# Altium PCB HORNET-1-IPG.PcbDoc (part 2 of 8)
Units mm, origin at the board's own origin, x right, y up, seen from the top; angles counter-clockwise.
Board outline 91.44 x 90.73 mm, 8 copper layers (TOP, AVERT, AHOR, GND, POWER, DVERT, DHOR, BOT), stack 0.686 mm thick; 726 components, 412 nets, 2077 pads, 2674 vias.
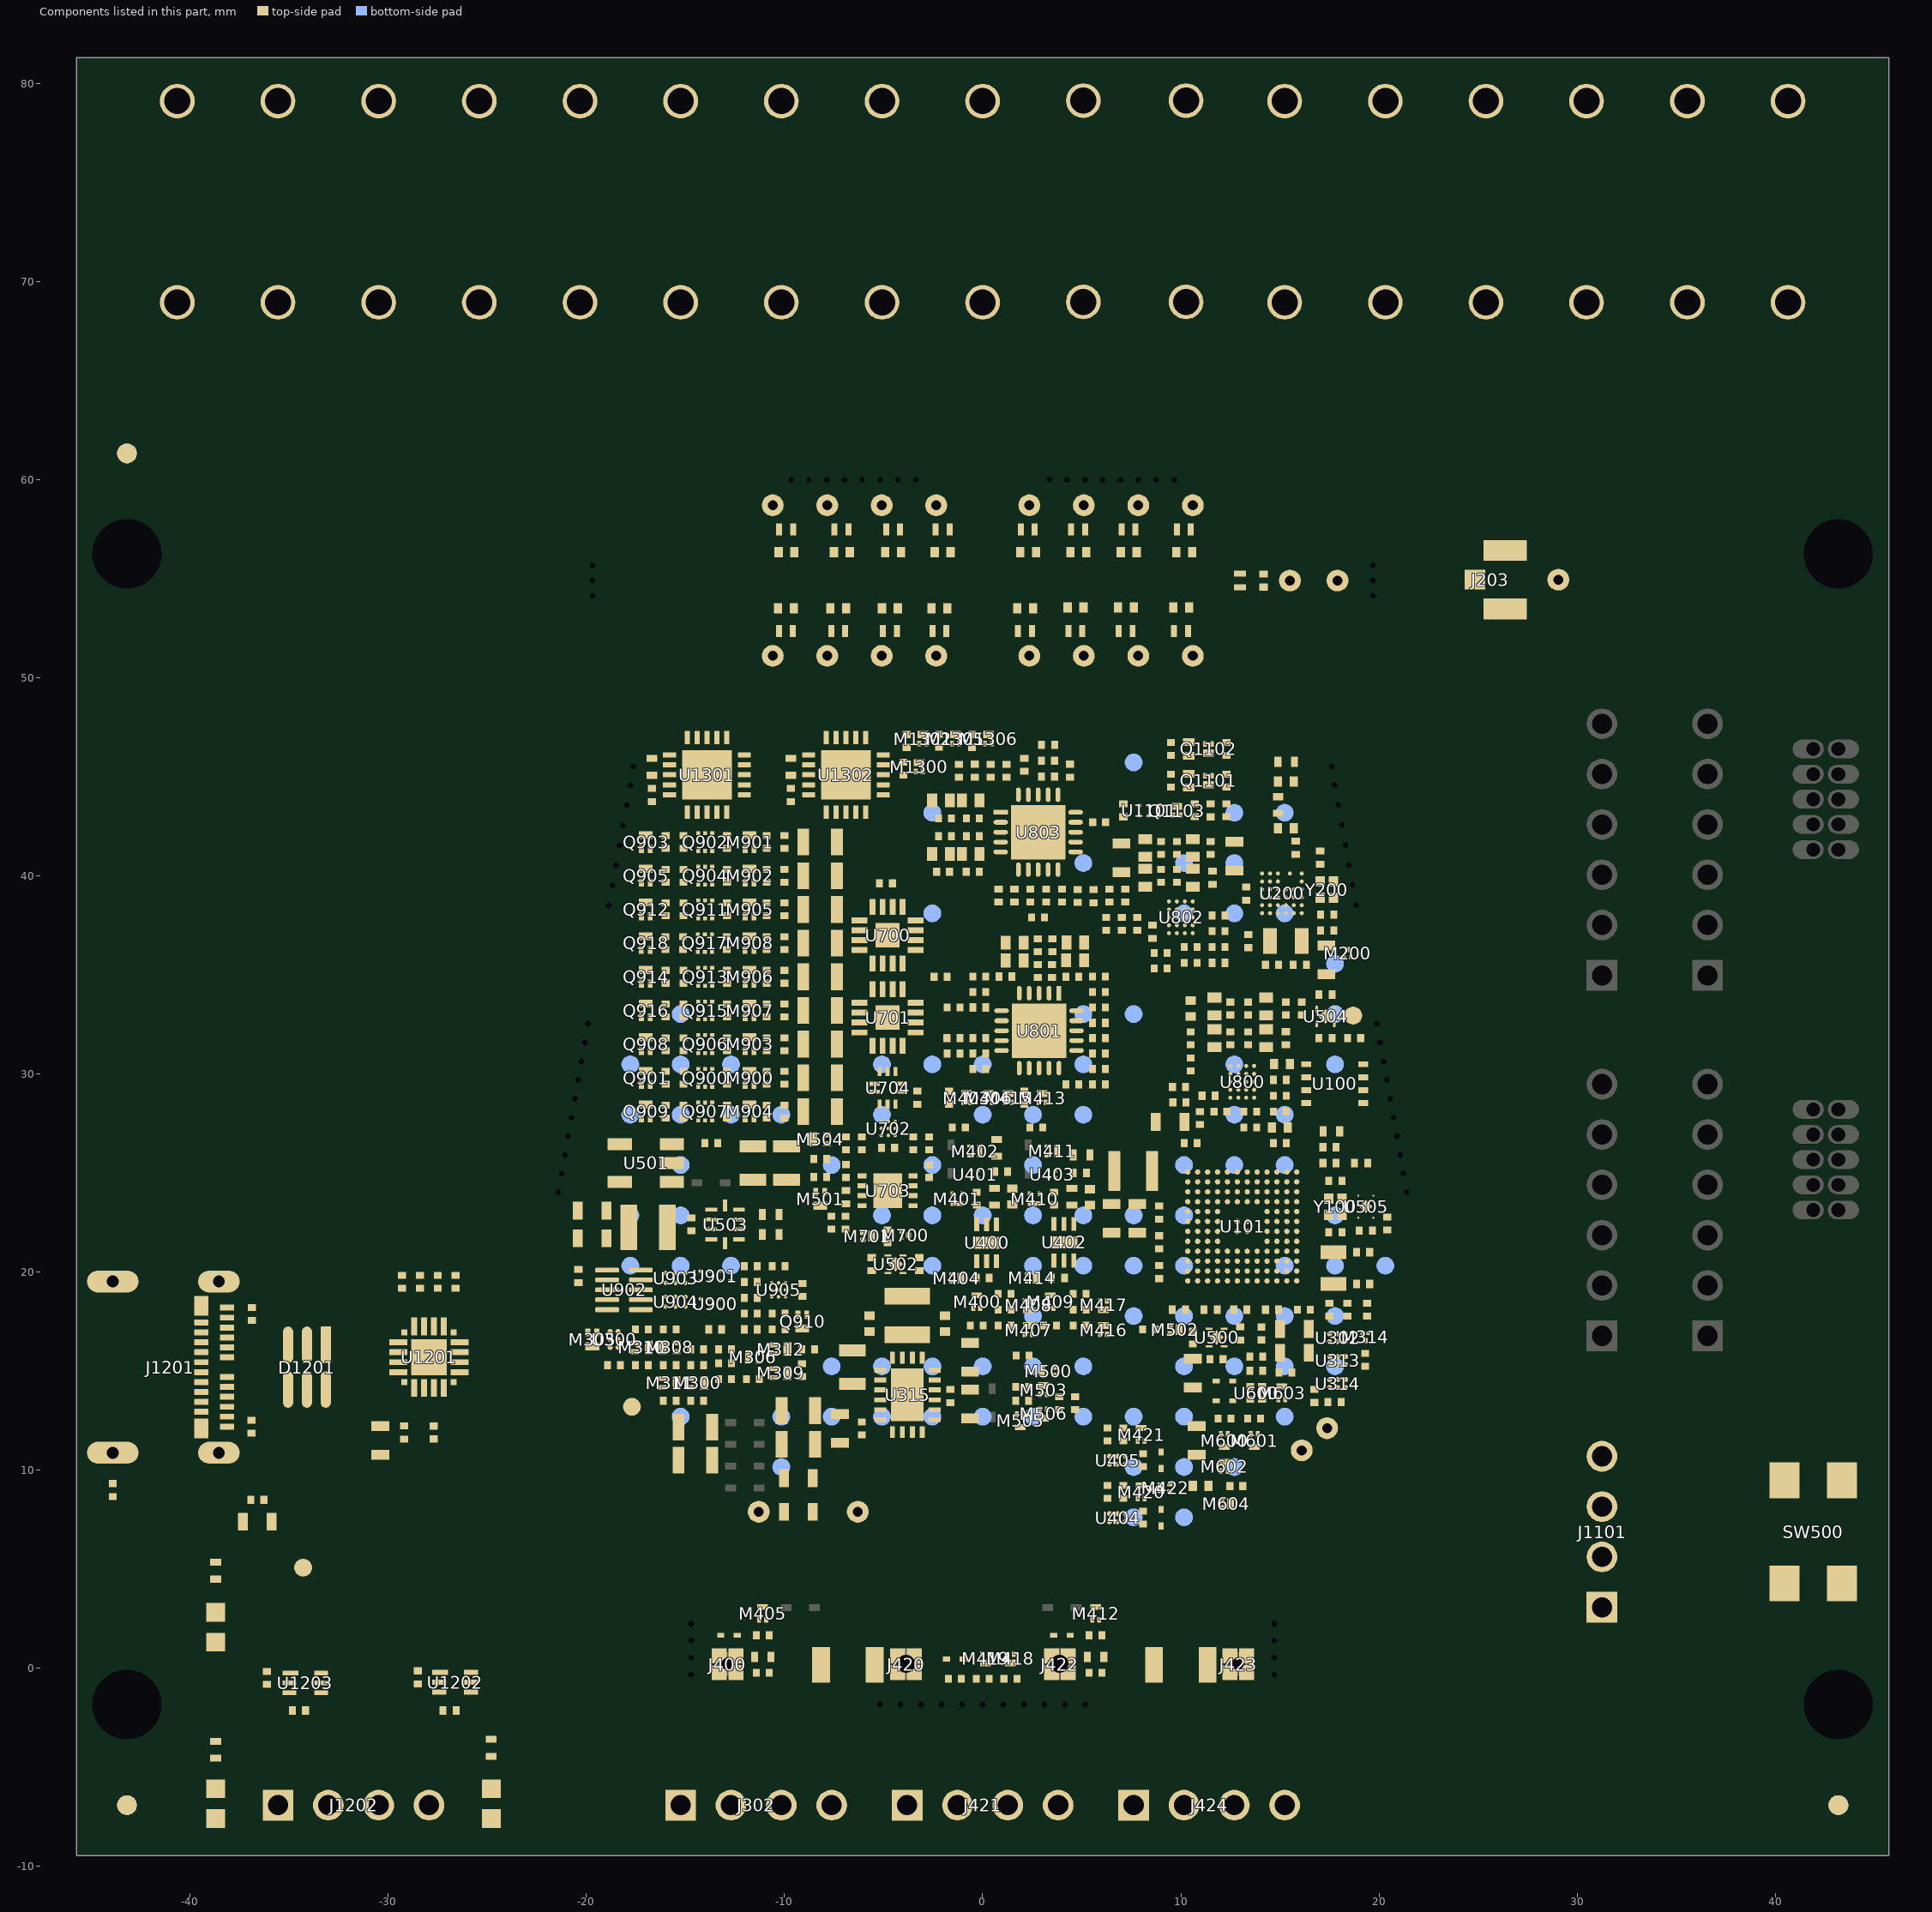
[diagram p8: the components of this part, seen from the top]

## Components (designator, comment, footprint, x,y, rotation, side; value= is the part's Value field where it differs from the comment) (continued)
J1006 "THPAD_20m" FEEDHOLE_20mil#12 67.789,68.904 r90 top value="FT pad"
J1007 "THPAD_20m" FEEDHOLE_20mil#13 62.321,76.504 r90 top value="FT pad"
J1008 "THPAD_20m" FEEDHOLE_20mil#14 73.108,68.882 r90 top value="FT pad"
J1009 "THPAD_20m" FEEDHOLE_20mil#15 59.529,74.247 r90 top value="FT pad"
J1010 "THPAD_20m" FEEDHOLE_20mil#16 70.601,74.247 r90 top value="FT pad"
J1011 "THPAD_20m" FEEDHOLE_20mil#17 65.042,74.247 r90 top value="FT pad"
J1012 "THPAD_20m" FEEDHOLE_20mil#18 75.215,74.247 r90 top value="FT pad"
J1013 "THPAD_20m" FEEDHOLE_20mil#11 59.571,68.904 r90 top value="FT pad"
J1014 "THPAD_20m" FEEDHOLE_20mil#19 70.615,68.904 r90 top value="FT pad"
J1015 "THPAD_20m" FEEDHOLE_20mil#13 62.32,68.904 r90 top value="FT pad"
J1016 "THPAD_20m" FEEDHOLE_20mil#20 75.215,68.893 r90 top value="FT pad"
J1017 "105-07XX-001" 105-07XX-001 40.64,74.016 r90 top value=105-0753-001
J1018 "105-07XX-001" 105-07XX-001 -40.64,74.016 r90 top value=105-0753-001
J1019 "105-07XX-001" 105-07XX-001 0,74.016 r90 top value=105-0753-001
J1020 "105-07XX-001" 105-07XX-001 -5.08,74.016 r90 top value=105-0753-001
J1021 "105-07XX-001" 105-07XX-001 20.32,74.016 r90 top value=105-0753-001
J1022 "105-07XX-001" 105-07XX-001 -30.48,74.016 r90 top value=105-0753-001
J1023 "105-07XX-001" 105-07XX-001 5.08,74.041 r90 top value=105-0753-001
J1024 "105-07XX-001" 105-07XX-001 -20.32,74.016 r90 top value=105-0753-001
J1025 "105-07XX-001" 105-07XX-001 30.469,74.017 r90 top value=105-0753-001
J1026 "105-07XX-001" 105-07XX-001 -35.56,74.016 r90 top value=105-0753-001
J1027 "105-07XX-001" 105-07XX-001 10.262,74.041 r90 top value=105-0753-001
J1028 "105-07XX-001" 105-07XX-001 -15.24,74.016 r90 top value=105-0753-001
J1029 "105-07XX-001" 105-07XX-001 25.4,74.016 r90 top value=105-0753-001
J1030 "105-07XX-001" 105-07XX-001 -25.4,74.016 r90 top value=105-0753-001
J1031 "105-07XX-001" 105-07XX-001 15.24,74.016 r90 top value=105-0753-001
J1032 "105-07XX-001" 105-07XX-001 -10.16,74.016 r90 top value=105-0753-001
J1033 "105-07XX-001" 105-07XX-001 35.56,74.017 r90 top value=105-0753-001
J1101 "TSW-104-07-G-S" SMTC-TSW-104-07-X-S 31.25,3.08 r90 top
J1201 "1054500101" FP-1054500101-MFG -41.9,15.2 r270 top
J1202 "TSW-104-07-G-S" SMTC-TSW-104-07-X-S -35.56,-6.909 r0 top
L100 "VLS252010HBX-2R2M-1" TDK_VLS252010HBX-1 7.6,25.1 r0 top value=2.2uH
L101 "LQG15HS33NJ02D" L0402_C 17.6,27.1 r180 top value=33nH
L200 "LQW15AN3N9G80D" L0402_C 14.9,43.573 r90 top value=3.9nH
L201 "LQW15AN1N8C00D" L0402_C 15.315,45.746 r180 top value=1.8nH
L300 "74438323100" WURTH_74438323100_REDUCED -3.81,17.805 r90 top value=10uH
L400 "DNP" L0402_C -11.1,0.571 r0 top
L401 "DNP" L0402_C 5.7,0.571 r0 top
L500 "74438323100" WURTH_74438323100_REDUCED -16.883,22.252 r0 top value=10uH
M200 "DMP22D4UFO-7B" DIODESINC_X2-DFN0604-3 18.4,36.1 r90 top
M300 "DMN62D1LFB-7B" DIODESINC_X1-DFN1006-3 -14.4,14.4 r0 top
M305 "DMP68D1LFB-7B" DIODESINC_X1-DFN1006-3 -19.7,16.6 r270 top
M306 "DMP2043UCA3-7" DIODESINC_X2-DSN1010-3_CUSTOMPIN -11.6,15.7 r180 top
M308 "DMP68D1LFB-7B" DIODESINC_X1-DFN1006-3 -15.8,16.2 r180 top
M309 "DMP68D1LFB-7B" DIODESINC_X1-DFN1006-3 -10.2,14.9 r0 top
M310 "DMN62D1SFB-7B" DIODESINC_X1-DFN1006-3 -17.2,16.2 r0 top
M311 "DMN62D1LFB-7B" DIODESINC_X1-DFN1006-3 -15.8,14.4 r0 top
M312 "DMN62D1LFB-7B" DIODESINC_X1-DFN1006-3 -10.2,16.1 r0 top
M314 "DMP22D4UFO-7B" DIODESINC_X2-DFN0604-3 19.3,16.7 r270 top
M400 "DMP21D5UFB4-7B" DIODESINC_X2-DFN1006-3_REDUCED -0.3,18.5 r90 top
M401 "DMP2043UCA3-7" DIODESINC_X2-DSN1010-3_CUSTOMPIN -1.3,23.7 r270 top
M402 "DMP2043UCA3-7" DIODESINC_X2-DSN1010-3_CUSTOMPIN -0.4,26.1 r0 top
M403 "DMN2990UFZ-7B" DIODESINC_X2-DFN0606-3 -0.8,28.8 r90 top
M404 "DMN2990UFZ-7B" DIODESINC_X2-DFN0606-3 -1.3,19.7 r0 top
M405 "DMP21D5UFB4-7B" DIODESINC_X2-DFN1006-3_REDUCED -11.1,2.771 r90 top
M406 "DMN2990UFZ-7B" DIODESINC_X2-DFN0606-3 0.3,28.8 r90 top
M407 "DMN2990UFZ-7B" DIODESINC_X2-DFN0606-3 2.3,17.095 r90 top
M408 "DMN2990UFZ-7B" DIODESINC_X2-DFN0606-3 2.3,18.3 r270 top
M409 "DMP21D5UFB4-7B" DIODESINC_X2-DFN1006-3_REDUCED 3.4,18.5 r90 top
M410 "DMP2043UCA3-7" DIODESINC_X2-DSN1010-3_CUSTOMPIN 2.6,23.7 r270 top
M411 "DMP2043UCA3-7" DIODESINC_X2-DSN1010-3_CUSTOMPIN 3.5,26.1 r0 top
M412 "DMP21D5UFB4-7B" DIODESINC_X2-DFN1006-3_REDUCED 5.7,2.771 r90 top
M413 "DMN2990UFZ-7B" DIODESINC_X2-DFN0606-3 3,28.8 r90 top
M414 "DMN2990UFZ-7B" DIODESINC_X2-DFN0606-3 2.5,19.7 r0 top
M415 "DMN2990UFZ-7B" DIODESINC_X2-DFN0606-3 1.295,28.8 r90 top
M416 "DMN2990UFZ-7B" DIODESINC_X2-DFN0606-3 6.1,17.1 r90 top
M417 "DMN2990UFZ-7B" DIODESINC_X2-DFN0606-3 6.1,18.3 r270 top
M418 "DMN2990UFZ-7B" DIODESINC_X2-DFN0606-3 1.4,0.471 r270 top
M419 "DMN2990UFZ-7B" DIODESINC_X2-DFN0606-3 0.151,0.471 r270 top
M420 "DMP21D5UFB4-7B" DIODESINC_X2-DFN1006-3_REDUCED 8,8.9 r90 top
M421 "DMP21D5UFB4-7B" DIODESINC_X2-DFN1006-3_REDUCED 8,11.8 r90 top
M422 "DMN2990UFZ-7B" DIODESINC_X2-DFN0606-3 9.2,9.1 r180 top
M500 "DMP21D5UFB4-7B" DIODESINC_X2-DFN1006-3_REDUCED 3.31,14.993 r180 top
M501 "DMP68D1LFB-7B" DIODESINC_X1-DFN1006-3 -8.2,23.7 r270 top
M502 "DMN2990UFZ-7B" DIODESINC_X2-DFN0606-3 9.7,17.1 r0 top
M503 "DMN2990UFZ-7B" DIODESINC_X2-DFN0606-3 3.06,14.064 r90 top
M504 "DMN62D1LFB-7B" DIODESINC_X1-DFN1006-3 -8.2,26.7 r180 top
M505 "DMP21D5UFB4-7B" DIODESINC_X2-DFN1006-3_REDUCED 1.9,12.5 r270 top
M506 "DMN2990UFZ-7B" DIODESINC_X2-DFN0606-3 3.073,12.827 r270 top
M600 "DMP21D5UFB4-7B" DIODESINC_X2-DFN1006-3_REDUCED 12.2,11.5 r270 top
M601 "DMP21D5UFB4-7B" DIODESINC_X2-DFN1006-3_REDUCED 13.7,11.5 r270 top
M602 "DMN2990UFZ-7B" DIODESINC_X2-DFN0606-3 12.2,10.2 r90 top
M603 "DMP21D5UFB4-7B" DIODESINC_X2-DFN1006-3_REDUCED 15.1,13.9 r90 top
M604 "DMN2990UFZ-7B" DIODESINC_X2-DFN0606-3 12.3,8.3 r0 top
M700 "DMP22D4UFO-7B" DIODESINC_X2-DFN0604-3 -3.895,21.85 r0 top
M701 "DMN2990UFZ-7B" DIODESINC_X2-DFN0606-3 -5.805,21.8 r0 top
M900 "DMN65D8LFB-7B" DIODESINC_X1-DFN1006-3 -11.762,29.8 r90 top
M901 "DMN65D8LFB-7B" DIODESINC_X1-DFN1006-3 -11.762,41.7 r90 top
M902 "DMN65D8LFB-7B" DIODESINC_X1-DFN1006-3 -11.762,40 r90 top
M903 "DMN65D8LFB-7B" DIODESINC_X1-DFN1006-3 -11.762,31.5 r90 top
M904 "DMN65D8LFB-7B" DIODESINC_X1-DFN1006-3 -11.762,28.1 r90 top
M905 "DMN65D8LFB-7B" DIODESINC_X1-DFN1006-3 -11.762,38.3 r90 top
M906 "DMN65D8LFB-7B" DIODESINC_X1-DFN1006-3 -11.762,34.9 r90 top
M907 "DMN65D8LFB-7B" DIODESINC_X1-DFN1006-3 -11.762,33.2 r90 top
M908 "DMN65D8LFB-7B" DIODESINC_X1-DFN1006-3 -11.765,36.6 r90 top
M1300 "DMN2990UFZ-7B" DIODESINC_X2-DFN0606-3 -3.2,45.51 r90 top
M1302 "DMN2990UFZ-7B" DIODESINC_X2-DFN0606-3 -3.025,46.92 r90 top
M1305 "DMN2990UFZ-7B" DIODESINC_X2-DFN0606-3 -1.365,46.92 r90 top
M1306 "DMN2990UFZ-7B" DIODESINC_X2-DFN0606-3 0.292,46.92 r90 top
Q900 "NST3906DP6T5G" DIODESINC_SOT-963-6 -14,29.8 r270 top
Q901 "BC847BLP-7B" DIODESINC_X1-DFN1006-3 -17,29.8 r90 top value=BC847BLP
Q902 "NST3906DP6T5G" DIODESINC_SOT-963-6 -14,41.7 r270 top
Q903 "BC847BLP-7B" DIODESINC_X1-DFN1006-3 -17,41.7 r90 top value=BC847BLP
Q904 "NST3906DP6T5G" DIODESINC_SOT-963-6 -14,40 r270 top
Q905 "BC847BLP-7B" DIODESINC_X1-DFN1006-3 -17,40 r90 top value=BC847BLP
Q906 "NST3906DP6T5G" DIODESINC_SOT-963-6 -14,31.5 r270 top
Q907 "NST3906DP6T5G" DIODESINC_SOT-963-6 -14,28.1 r270 top
Q908 "BC847BLP-7B" DIODESINC_X1-DFN1006-3 -17,31.5 r90 top value=BC847BLP
Q909 "BC847BLP-7B" DIODESINC_X1-DFN1006-3 -17,28.1 r90 top value=BC847BLP
Q910 "BC847BLP-7B" DIODESINC_X1-DFN1006-3 -9.1,17.5 r270 top value=BC847BLP
Q911 "NST3906DP6T5G" DIODESINC_SOT-963-6 -14,38.3 r270 top
Q912 "BC847BLP-7B" DIODESINC_X1-DFN1006-3 -17,38.3 r90 top value=BC847BLP
Q913 "NST3906DP6T5G" DIODESINC_SOT-963-6 -14,34.9 r270 top
Q914 "BC847BLP-7B" DIODESINC_X1-DFN1006-3 -17,34.9 r90 top value=BC847BLP
Q915 "NST3906DP6T5G" DIODESINC_SOT-963-6 -14,33.2 r270 top
Q916 "BC847BLP-7B" DIODESINC_X1-DFN1006-3 -17,33.2 r90 top value=BC847BLP
Q917 "NST3906DP6T5G" DIODESINC_SOT-963-6 -14.018,36.6 r270 top
Q918 "BC847BLP-7B" DIODESINC_X1-DFN1006-3 -17.003,36.6 r90 top value=BC847BLP
Q1101 "DMN2990UFZ-7B" DIODESINC_X2-DFN0606-3 11.4,44.8 r270 top
Q1102 "DMN2990UFZ-7B" DIODESINC_X2-DFN0606-3 11.4,46.4 r270 top
Q1103 "DMN2990UFZ-7B" DIODESINC_X2-DFN0606-3 9.8,43.3 r90 top
R100 "CRCW020110K0FNED" R0201_C 20.417,22.455 r90 top value=10k
R101 "CRCW020110K0FNED" R0201_C 14.07,16.9 r90 top value=10k
R102 "CRCW02010000Z0ED" R0201_C 16.2,18.1 r180 top value=0R
R103 "CRCW02010000Z0ED" R0201_C 10.5,26.5 r180 top value=0R
R310 "CRCW02011M00FNED" R0201_C -14.4,16.1 r180 top value=1M
R315 "CRCW0201402RFNED" R0201_C -13,15.4 r0 top value=402R
R316 "CRCW02011M00FNED" R0201_C -13,14.6 r0 top value=1M
R317 "CRCW02011M00FNED" R0201_C -14.4,15.3 r180 top value=1M
R318 "CRCW02011M00FNED" R0201_C -17.2,17.1 r180 top value=1M
R319 "CRCW020149R9FNED" R0201_C -15.8,13.5 r180 top value=49R9
R320 "CRCW02011M00FNED" R0201_C -18.6,15.3 r0 top value=1M
R322 "CRCW02011M00FNED" R0201_C -11.6,14.6 r0 top value=1M
R323 "CRCW0201150KFNED" R0201_C -17.2,15.3 r0 top value=150k
R324 "CRCW02011M00FNED" R0201_C -14.4,13.5 r180 top value=1M
R325 "CRCW02011M00FNED" R0201_C -13,16.1 r0 top value=1M
R326 "CRCW0201100KFNED" R0201_C -8.8,16.1 r0 top value=100k
R328 "CRCW02011M00FNED" R0201_C -15.8,15.3 r0 top value=1M
R329 "CRCW02011M00FNED" R0201_C -15.8,17.1 r0 top value=1M
R330 "CRCW02011M00FNED" R0201_C -9.119,15.057 r90 top value=1M
R336 "CRCW020110M0FNED" R0201_C 18.4,18.1 r270 top value=10M
R337 "CRCW020149K9FNED" R0201_C 17.5,18.1 r90 top value=49k9
R341 "CRCW020110M0FNED" R0201_C 19.4,18.1 r90 top value=10M
R348 "CRCW020149K9FNED" R0201_C 19.3,15.569 r270 top value=49k9
R356 "CRCW020149K9FNED" R0201_C 16.739,13.741 r90 top value=49k9
R359 "CRCW02010000Z0ED" R0201_C -6.1,12.1 r270 top value=0R
R400 "CRCW020110M0FNED" R0201_C -0.3,17.3 r180 top value=10M
R401 "CRCW020110M0FNED" R0201_C -1.2,27.3 r0 top value=10M
R402 "CRCW02011M00FNED" R0201_C -0.3,23.7 r90 top value=1M
R403 "CRCW02011M00FNED" R0201_C -1.7,28.8 r90 top value=1M
R404 "CRCW020110K0FNED" R0201_C 1.1,18.9 r0 top value=10k
R405 "CRCW02014K02FNED" R0201_C 1.1,17.3 r0 top value=4k02
R406 "CRCW02017K50FNED" R0201_C 1.1,18.1 r0 top value=7k5
R407 "MCS0402MD6193BE000" RES0402_REDUCED 0.6,23.8 r90 top value=619k
R408 "CRCW020110M0FNED" R0201_C -11.1,1.671 r180 top value=10M
R409 "RP73PF1E243KBTD" RES0402_REDUCED 0.7,26.271 r90 top value=243k
R410 "CRCW020110M0FNED" R0201_C 3.4,17.3 r180 top value=10M
R411 "CRCW020110M0FNED" R0201_C 2.7,27.3 r0 top value=10M
R412 "CRCW02011M00FNED" R0201_C 3.6,23.7 r90 top value=1M
R413 "CRCW020110M0FNED" R0201_C 5.7,1.671 r180 top value=10M
R414 "CRCW02011M00FNED" R0201_C 2.1,28.8 r90 top value=1M
R415 "CRCW020110K0FNED" R0201_C 4.9,18.9 r0 top value=10k
R416 "CRCW02014K02FNED" R0201_C 4.9,17.3 r0 top value=4k02
R417 "CRCW02017K50FNED" R0201_C 4.9,18.1 r0 top value=7k5
R418 "CRCW02015M10FNED" R0201_C 1.4,-0.529 r0 top value=5M1
R419 "MCS0402MD6193BE000" RES0402_REDUCED 4.5,23.8 r90 top value=619k
R420 "RP73PF1E243KBTD" RES0402_REDUCED 4.989,25.915 r0 top value=243k
R421 "CRCW02011M00FNED" R0201_C -1.4,-0.529 r0 top value=1M
R422 "CRCW02011M00FNED" R0201_C 0,-0.529 r180 top value=1M
R423 "CRCW02011M00FNED" R0201_C 8.1,7.6 r270 top value=1M
R424 "CRCW02011M00FNED" R0201_C 7.1,8.9 r270 top value=1M
R425 "CRCW02011M00FNED" R0201_C 6.3,8.9 r90 top value=1M
R426 "CRCW02011M00FNED" R0201_C 8.1,10.5 r270 top value=1M
R427 "CRCW02011M00FNED" R0201_C 7.1,11.8 r270 top value=1M
R428 "CRCW02011M00FNED" R0201_C 6.3,11.8 r90 top value=1M
R429 "CRCW02010000Z0ED" R0201_C -11.1,-0.229 r0 top value=0R
R430 "CRCW02010000Z0ED" R0201_C 5.7,-0.229 r0 top value=0R
R500 "CRCW0201100KFNED" R0201_C 10.6,16.7 r270 top value=100k
R501 "CRCW0201100RFNED" R0201_C 2.01,15.789 r0 top value=100R
R502 "CRCW020110M0FNED" R0201_C 8.4,17.1 r180 top value=10M
R503 "CRCW020110M0FNED" R0201_C 2,14.2 r0 top value=10M
R504 "CRCW020110M0FNED" R0201_C -8.2,24.8 r0 top value=10M
R505 "CRCW020110M0FNED" R0201_C -8.2,25.7 r180 top value=10M
R506 "CRCW0201340KFKED" R0201_C -13.7,26.5 r0 top value=340k
R507 "Resistor, DNP, 0402" RES0402_REDUCED -10.7,21.9 r180 top value=DNP
R508 "Resistor, DNP, 0402" RES0402_REDUCED -10.7,22.9 r180 top value=DNP
R509 "CRCW020110M0FNED" R0201_C 1.994,13.506 r0 top value=10M
R510 "CRCW020110K0FNED" R0201_C 3.861,13.386 r270 top value=10k
R511 "CRCW020140K2FNED" R0201_C -14.7,22.4 r270 top value=40k2
R600 "CRCW020110M0FNED" R0201_C 12.2,12.6 r180 top value=10M
R601 "CRCW020110M0FNED" R0201_C 13.7,12.6 r0 top value=10M
R602 "CRCW020110M0FNED" R0201_C 12.8,9.2 r180 top value=10M
R603 "CRCW020110M0FNED" R0201_C 15.281,14.925 r0 top value=10M
R604 "CRCW020110M0FNED" R0201_C 13.8,15.011 r180 top value=10M
R700 "CRCW02018K20FNED" R0201_C -6.1,26.5 r270 top value=8.2k
R701 "CRCW020159K0FNED" R0201_C -6.9,26.5 r270 top value=59k
R702 "CRCW02010000Z0ED" R0201_C -6.9,25.1 r270 top value=0R
R703 "CRCW020110M0FNED" R0201_C -4.8,21.8 r90 top value=10M
R704 "CRCW0201120KFNED" R0201_C -7.638,22.487 r90 top value=120k
R705 "CRCW0201100KFNED" R0201_C -6.918,22.487 r90 top value=100k
R706 "CRCW02018K20FNED" R0201_C -3.5,26.5 r270 top value=8.2k
R707 "CRCW020159K0FNED" R0201_C -2.7,26.5 r270 top value=59k
R708 "CRCW02010000Z0ED" R0201_C -2.7,25.1 r270 top value=0R
R800 "CRCW020110M0FNED" R0201_C 10.965,27.766 r90 top value=10M
R801 "CRCW020110M0FNED" R0201_C 10.5,30.477 r90 top value=10M
R802 "CRCW02011M40FNED" R0201_C 16.1,33.3 r90 top value=1.4M
R803 "CRCW020110M0FNED" R0201_C 10.5,31.8 r90 top value=10M
R804 "CRCW020110M0FNED" R0201_C 9.925,28.566 r180 top value=10M
R805 "CRCW0201180KFNED" R0201_C 12.5,31.8 r270 top value=180k
R806 "CRCW02010000Z0ED" R0201_C 12,28.1 r180 top value=0R
R807 "CRCW0201180KFNED" R0201_C 13.4,31.8 r270 top value=180k
R808 "CRCW020110M0FNED" R0201_C 12.5,33.3 r90 top value=10M
R809 "CRCW020110M0FNED" R0201_C 13.4,33.3 r90 top value=10M
R810 "CRCW0201360KFNED" R0201_C 15.3,33.3 r270 top value=360k
R811 "CRCW02012M20FNED" R0201_C 13.5,27.3 r0 top value=2M2
R812 "CRCW02011M00FNED" R0201_C 13.5,28.1 r180 top value=1M
R813 "CRCW02011M00FNED" R0201_C 15,28.9 r180 top value=1M
R814 "CRCW02011M00FNED" R0201_C 15,28.1 r0 top value=1M
R815 "CRCW020110M0FNED" R0201_C 5.864,30.251 r180 top value=10M
R816 "CRCW0201200KFNED" R0201_C -1.473,31.026 r180 top value=200k
R817 "CRCW02013M32FNED" R0201_C 5.864,33.354 r180 top value=3M32
R818 "CRCW0201475KFNED" R0201_C 5.864,34.905 r0 top value=475k
R819 "CRCW020110M0FNED" R0201_C 5.864,31.026 r0 top value=10M
R820 "CRCW0201180KFNED" R0201_C 3.499,35.19 r270 top value=180k
R821 "CRCW02010000Z0ED" R0201_C 4.522,29.469 r0 top value=0R
R822 "CRCW0201180KFNED" R0201_C 2.785,35.19 r270 top value=180k
R823 "CRCW020110M0FNED" R0201_C 2.785,36.496 r90 top value=10M
R824 "CRCW020110M0FNED" R0201_C 3.516,36.496 r90 top value=10M
R825 "CRCW0201360KFNED" R0201_C -0.168,34.91 r0 top value=360k
R826 "CRCW02013M32FNED" R0201_C 5.864,34.129 r0 top value=3M32
R827 "CRCW02011M20FNED" R0201_C -1.473,33.353 r0 top value=1M2
R828 "CRCW02013K74FNED" R0201_C -0.168,34.129 r0 top value=3k74
R829 "CRCW0201100KFNED" R0201_C -0.168,31.802 r0 top value=100k
R830 "CRCW02016M80FNED" R0201_C 8.978,35.319 r0 top value=6M8
R831 "CRCW02016M80FNED" R0201_C 7.2,39 r270 top value=6M8
R832 "CRCW020110M0FNED" R0201_C 6.4,39 r90 top value=10M
R833 "CRCW020110M0FNED" R0201_C 6.239,37.575 r90 top value=10M
R834 "CRCW020110M0FNED" R0201_C 7.027,37.575 r270 top value=10M
R835 "CRCW02010000Z0ED" R0201_C 8.978,36.1 r180 top value=0R
R836 "CRCW020110M0FNED" R0201_C 9.8,41.4 r90 top value=10M
R837 "CRCW020110M0FNED" R0201_C 9,41.4 r90 top value=10M
R838 "CRCW0201150KFNED" R0201_C -0.168,31.026 r0 top value=150k
R839 "CRCW0201180KFNED" R0201_C 9,40 r270 top value=180k
R840 "CRCW0201180KFNED" R0201_C 9.8,40 r270 top value=180k
R841 "CRCW0201360KFNED" R0201_C 11.5,41.4 r270 top value=360k
R842 "CRCW02012M70FNED" R0201_C 10.5,35.6 r0 top value=2M7
R843 "CRCW02012M70FNED" R0201_C 10.5,36.4 r180 top value=2M7
R844 "CRCW0201249KFNED" R0201_C 11.9,36.4 r0 top value=249k
R845 "CRCW02011M00FNED" R0201_C 11.9,37.2 r180 top value=1M
R846 "CRCW020110M0FNED" R0201_C 3.3,45 r0 top value=10M
R847 "CRCW020110M0FNED" R0201_C 3.3,45.8 r180 top value=10M
R848 "CRCW020110M0FNED" R0201_C -1.9,42 r180 top value=10M
R849 "CRCW020110M0FNED" R0201_C -1.9,42.9 r180 top value=10M
R850 "CRCW0201180KFNED" R0201_C -0.5,42.9 r0 top value=180k
R851 "CRCW0201180KFNED" R0201_C -0.5,42 r0 top value=180k
R852 "CRCW0201360KFNED" R0201_C -2,40.2 r0 top value=360k
R853 "CRCW02013M32FNED" R0201_C 0.4,45.3 r90 top value=3M32
R854 "CRCW02013M32FNED" R0201_C 1.2,45.3 r270 top value=3M32
R855 "CRCW0201475KFNED" R0201_C -1.2,45.3 r90 top value=475k
R856 "CRCW0201100KFNED" R0201_C 4,39 r90 top value=100k
R857 "CRCW02010000Z0ED" R0201_C 5.876,42.7 r0 top value=0R
R858 "CRCW0201200KFNED" R0201_C 3.2,39 r270 top value=200k
R859 "CRCW02011M20FNED" R0201_C 2.8,37.9 r180 top value=1M2
R860 "CRCW02013K74FNED" R0201_C 2.4,39 r90 top value=3k74
R861 "CRCW0201150KFNED" R0201_C 4.8,38.975 r270 top value=150k
R900 "RES_DNP_0201" R0201_C -16,29.8 r270 top value=DNP
R901 "CRCW02011K00FNED" R0201_C -15.1,29.8 r270 top value=1k
R902 "CRCW0201150RFNED" R0201_C -12.9,29.8 r90 top value=150R
R903 "CRCW020110M0FNED" R0201_C -10,29.8 r270 top value=10M
R904 "CRCW02012M00FNED" R0201_C -10.9,29.8 r90 top value=2M
R905 "RES_DNP_0201" R0201_C -16,41.7 r270 top value=DNP
R906 "CRCW02011K00FNED" R0201_C -15.1,41.7 r270 top value=1k
R907 "CRCW0201150RFNED" R0201_C -12.9,41.7 r90 top value=150R
R908 "CRCW020110K0FNED" R0201_C -11.7,17.9 r180 top value=10k
R909 "RES_DNP_0201" R0201_C -11.7,20.3 r180 top value=DNP
R910 "CRCW020110M0FNED" R0201_C -10,41.7 r270 top value=10M
R911 "CRCW02012M00FNED" R0201_C -10.9,41.7 r90 top value=2M
R912 "CRCW02010000Z0ED" R0201_C -11.7,19.5 r180 top value=0R
R913 "RES_DNP_0201" R0201_C -16,40 r270 top value=DNP
R914 "CRCW02011K00FNED" R0201_C -15.1,40 r270 top value=1k
R915 "CRCW0201150RFNED" R0201_C -12.9,40 r90 top value=150R
R916 "CRCW020110M0FNED" R0201_C -10,40 r270 top value=10M
R917 "CRCW02012M00FNED" R0201_C -10.9,40 r90 top value=2M
R918 "RES_DNP_0201" R0201_C -16,31.5 r270 top value=DNP
R919 "CRCW02011K00FNED" R0201_C -15.1,31.5 r270 top value=1k
R920 "CRCW0201150RFNED" R0201_C -12.9,31.5 r90 top value=150R
R921 "RES_DNP_0201" R0201_C -16,28.1 r270 top value=DNP
R922 "CRCW02011K00FNED" R0201_C -15.1,28.1 r270 top value=1k
R923 "CRCW0201150RFNED" R0201_C -12.9,28.1 r90 top value=150R
R924 "CRCW020110M0FNED" R0201_C -10,31.5 r270 top value=10M
R925 "CRCW020110M0FNED" R0201_C -10,28.1 r270 top value=10M
R926 "CRCW02012M00FNED" R0201_C -10.9,31.5 r90 top value=2M
R927 "CRCW02012M00FNED" R0201_C -10.9,28.1 r90 top value=2M
R928 "CRCW0201100RFNED" R0201_C -9.1,19.1 r270 top value=100R
R929 "CRCW02011M00FNED" R0201_C -10.3,17.1 r0 top value=1M
R930 "CRCW02012K80FNED" R0201_C -10.3,17.9 r0 top value=2k8
R931 "CRCW02011M00FNED" R0201_C -10.3,20.3 r0 top value=1M
R932 "RES_DNP_0201" R0201_C -16,38.3 r270 top value=DNP
R933 "CRCW02011K00FNED" R0201_C -15.1,38.3 r270 top value=1k
R934 "CRCW0201150RFNED" R0201_C -12.9,38.3 r90 top value=150R
R935 "CRCW020110M0FNED" R0201_C -10,38.3 r270 top value=10M
R936 "CRCW02012M00FNED" R0201_C -10.9,38.3 r90 top value=2M
R937 "RES_DNP_0201" R0201_C -16,34.9 r270 top value=DNP
R938 "CRCW02011K00FNED" R0201_C -15.1,34.9 r270 top value=1k
R939 "CRCW0201150RFNED" R0201_C -12.9,34.9 r90 top value=150R
R940 "CRCW020110M0FNED" R0201_C -10,34.9 r270 top value=10M
R941 "CRCW02012M00FNED" R0201_C -10.9,34.9 r90 top value=2M
R942 "RES_DNP_0201" R0201_C -16,33.2 r270 top value=DNP